# KiCad board lpddr5-testbed.kicad_pcb (continued)
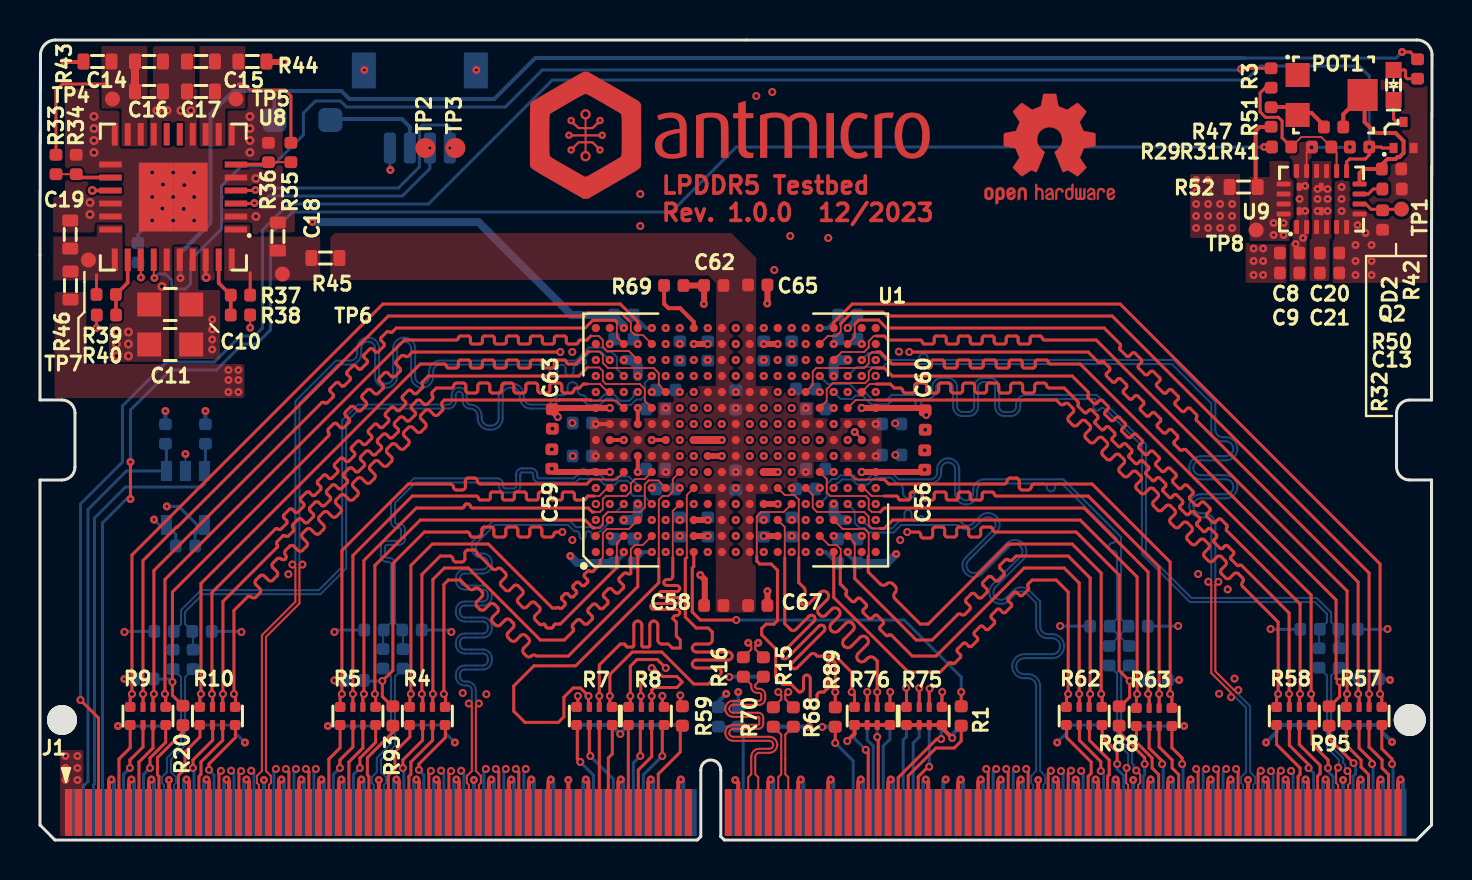
[diagram p0: board, top side]
## Routing (per net, layer and track width the routed paths; a pad name or vN(x,y) marks a point on that pad's centre or on a via; arc(x,y) is an arc through that point) (continued)
/LPDDR5/LPDDR5_B.DQ7: length 49.5
  Top w0.09: U1.T11 38.65,22.75 38.65,23.42 38.83,23.6 41.22,23.6 41.45,23.83 41.45,24.22 41.62,24.4 41.83,24.4
  Top w0.15: 41.83,24.4 42.03,24.4 42.62,23.8 43.83,23.8 arc(43.9,23.77) 43.93,23.7 arc(43.95,23.63) 44.03,23.6 44.47,23.6 arc(44.55,23.63) 44.58,23.7 44.58,23.9 arc(44.6,23.97) 44.68,24 45.12,24 arc(45.2,23.97) 45.22,23.9 45.22,23.7 arc(45.25,23.63) 45.33,23.6 45.78,23.6 arc(45.85,23.63) 45.88,23.7 45.88,23.9 arc(45.9,23.97) 45.97,24 46.43,24 arc(46.5,23.97) 46.53,23.9 46.53,23.7 arc(46.55,23.63) 46.62,23.6 47.08,23.6 arc(47.15,23.63) 47.18,23.7 47.18,23.9 arc(47.2,23.97) 47.28,24 47.72,24 arc(47.8,23.97) 47.83,23.9 47.83,23.7 arc(47.85,23.63) 47.93,23.6 48.38,23.6 arc(48.45,23.63) 48.47,23.7 48.47,23.9 arc(48.5,23.97) 48.58,24 49.03,24 arc(49.1,23.97) 49.12,23.9 49.12,23.7 arc(49.15,23.63) 49.22,23.6 49.68,23.6 arc(49.75,23.63) 49.78,23.7 49.78,23.9 arc(49.8,23.97) 49.88,24 50.33,24 arc(50.4,23.97) 50.43,23.9 arc(50.45,23.83) 50.53,23.8 52.03,23.8 63.58,12.25 v2(63.58,7.3) 63.62,7.25 R58.5
  In3.Cu w0.15: v2(59.33,3.55) 59.33,3.67 60.91,5.25 61.93,5.25 63.58,6.9 v2(63.58,7.3)
  Bottom w0.15: v2(59.33,3.55) 59.18,3.4 J1.226 ; v2(63.58,7.3) 63.62,7.25 R58.5
/LPDDR5/LPDDR5_B.DQ8: length 35.1
  Top w0.15: U1.V1 39.7,12.12 43.43,8.4 45.03,8.4 45.47,8.84 arc(45.54,8.87) 45.61,8.84 arc(45.68,8.81) 45.75,8.84 46.03,9.12 arc(46.06,9.19) 46.03,9.26 45.89,9.41 arc(45.86,9.48) 45.89,9.55 46.17,9.83 arc(46.24,9.86) 46.31,9.83 46.46,9.69 arc(46.53,9.66) 46.6,9.69 46.88,9.97 arc(46.91,10.04) 46.88,10.11 46.74,10.25 arc(46.71,10.33) 46.74,10.4 47.02,10.68 arc(47.09,10.71) 47.16,10.68 47.3,10.54 arc(47.37,10.51) 47.45,10.54 47.73,10.82 arc(47.76,10.89) 47.73,10.96 47.59,11.1 arc(47.56,11.17) 47.59,11.24 47.87,11.53 arc(47.94,11.56) 48.01,11.53 48.15,11.39 arc(48.22,11.36) 48.29,11.39 48.58,11.67 arc(48.61,11.74) 48.58,11.81 48.44,11.95 arc(48.41,12.02) 48.44,12.09 48.72,12.38 arc(48.79,12.41) 48.86,12.38 49,12.23 arc(49.07,12.21) 49.14,12.23 49.43,12.52 arc(49.45,12.59) 49.43,12.66 arc(49.4,12.73) 49.43,12.8 49.62,13 50.83,13 51.43,12.4 v2(51.43,7.3) 51.35,7.22 51.35,6.65 ; v2(47.33,3.55) 47.43,3.45 J1.179
  In3.Cu w0.15: v2(51.43,7.3) 51.43,7 50.72,6.3 49.78,6.3 47.33,3.85 v2(47.33,3.55)
  Bottom w0.15: R62.8 51.34,7.21 v2(51.43,7.3)
/LPDDR5/LPDDR5_B.DQ9: length 35.2
  Top w0.09: U1.W2 40.75,14.85 40.75,14.1
  Top w0.15: J1.183 48.43,3.45 v2(48.33,3.55) ; 40.75,14.1 40.75,13.08 43.83,10 44.62,10 45.9,11.28 arc(45.99,11.31) 46.08,11.28 arc(46.17,11.24) 46.26,11.28 46.5,11.53 arc(46.54,11.61) 46.5,11.7 46.33,11.88 arc(46.29,11.97) 46.33,12.06 46.57,12.3 arc(46.66,12.34) 46.75,12.3 46.93,12.13 arc(47.02,12.09) 47.1,12.13 47.35,12.37 arc(47.39,12.46) 47.35,12.55 47.18,12.73 arc(47.14,12.82) 47.18,12.9 47.42,13.15 arc(47.51,13.19) 47.6,13.15 47.78,12.97 arc(47.86,12.94) 47.95,12.97 48.2,13.22 arc(48.24,13.31) 48.2,13.4 48.02,13.58 arc(47.99,13.66) 48.02,13.75 48.27,14 arc(48.36,14.04) 48.45,14 arc(48.54,13.96) 48.62,14 48.83,14.2 51.43,14.2 52.53,13.1 v2(52.53,7.3) 52.49,7.26 52.49,6.65
  In3.Cu w0.15: v2(48.33,3.55) 48.33,3.75 50.18,5.6 51.18,5.6 52.53,6.95 v2(52.53,7.3)
  Bottom w0.15: R62.6 52.47,7.25 v2(52.53,7.3)
/LPDDR5/LPDDR5_B.DQ10: length 35.3
  Top w0.09: 40.03,14.2 40.05,14.22 40.05,14.54 39.84,14.75 39.45,14.75 U1.U2
  Top w0.15: 51.99,6.65 51.99,7.29 v2(51.97,7.3) 51.97,12.85 51.22,13.6 49.22,13.6 44.83,9.2 43.62,9.2 42.59,10.24 arc(42.52,10.27) 42.45,10.24 arc(42.38,10.21) 42.3,10.24 42.02,10.52 arc(41.99,10.59) 42.02,10.66 42.16,10.8 arc(42.19,10.87) 42.16,10.94 41.88,11.23 arc(41.81,11.26) 41.74,11.23 41.6,11.09 arc(41.53,11.06) 41.46,11.09 41.17,11.37 arc(41.14,11.44) 41.17,11.51 41.31,11.65 arc(41.34,11.72) 41.31,11.79 41.03,12.08 arc(40.96,12.11) 40.89,12.08 40.75,11.93 arc(40.68,11.91) 40.61,11.93 40.33,12.22 arc(40.3,12.29) 40.33,12.36 arc(40.35,12.43) 40.33,12.5 40.03,12.8 40.03,14.2
  In3.Cu w0.15: v2(51.97,7.3) 51.97,7 50.93,5.95 49.97,5.95 47.83,3.8 v2(47.83,3.55)
  Bottom w0.15: v2(47.83,3.55) 47.68,3.4 J1.180 ; R62.7 v2(51.97,7.3)
/LPDDR5/LPDDR5_B.DQ11: length 35.2
  Top w0.09: U1.V3 40.15,15.55 41.24,15.55 41.45,15.34 41.45,14.22 41.43,14.2
  Top w0.15: 53.12,6.65 53.12,7.25 v2(53.08,7.3) 53.08,13.35 51.62,14.8 48.43,14.8 44.43,10.8 44.03,10.8 42.77,12.06 arc(42.7,12.22) 42.77,12.38 arc(42.83,12.53) 42.77,12.69 42.66,12.8 arc(42.5,12.87) 42.34,12.8 arc(42.18,12.73) 42.03,12.8 41.43,13.4 41.43,14.2
  In3.Cu w0.15: v2(48.83,3.55) 48.83,3.67 50.41,5.25 51.43,5.25 53.08,6.9 v2(53.08,7.3)
  Bottom w0.15: v2(48.83,3.55) 48.68,3.4 J1.184 ; v2(53.08,7.3) 53.11,7.26 R62.5
/LPDDR5/LPDDR5_B.DQ12: length 35.1
  Top w0.09: U1.Y5 41.2,17.6 41.6,17.2 42.22,17.2
  Top w0.15: 55.97,6.65 v2(55.97,7.3) 55.97,13.65 52.43,17.2 47.83,17.2 arc(47.75,17.23) 47.72,17.3 arc(47.7,17.37) 47.62,17.4 47.22,17.4 arc(47.15,17.37) 47.12,17.3 47.12,17.1 arc(47.1,17.03) 47.03,17 46.62,17 arc(46.55,17.03) 46.53,17.1 46.53,17.3 arc(46.5,17.37) 46.43,17.4 46.03,17.4 arc(45.95,17.37) 45.93,17.3 45.93,17.1 arc(45.9,17.03) 45.83,17 45.43,17 arc(45.35,17.03) 45.33,17.1 45.33,17.3 arc(45.3,17.37) 45.22,17.4 44.83,17.4 arc(44.75,17.37) 44.72,17.3 44.72,17.1 arc(44.7,17.03) 44.62,17 44.22,17 arc(44.15,17.03) 44.12,17.1 44.12,17.3 arc(44.1,17.37) 44.03,17.4 43.62,17.4 arc(43.55,17.37) 43.53,17.3 43.53,17.1 arc(43.5,17.03) 43.43,17 43.03,17 arc(42.95,17.03) 42.93,17.1 arc(42.9,17.17) 42.83,17.2 42.22,17.2 ; J1.195 51.43,3.33 v2(51.57,3.47)
  In3.Cu w0.15: v2(51.57,3.47) 51.57,3.48 52.59,4.5 53.72,4.5 55.97,6.75 v2(55.97,7.3)
  Bottom w0.15: 55.97,6.65 v2(55.97,7.3)
/LPDDR5/LPDDR5_B.DQ13: length 35.3
  Top w0.09: U1.W6 40.78,18.03 42.03,18.03
  Top w0.15: 56.61,6.65 56.61,7.21 v2(56.53,7.3) 56.53,13.9 52.62,17.8 49.72,17.8 arc(49.62,17.76) 49.58,17.65 arc(49.53,17.54) 49.43,17.5 49.12,17.5 arc(49.02,17.54) 48.97,17.65 48.97,17.95 arc(48.93,18.06) 48.83,18.1 48.53,18.1 arc(48.42,18.06) 48.38,17.95 arc(48.33,17.84) 48.22,17.8 42.45,17.8 42.22,18.03 42.03,18.03
  In3.Cu w0.15: v2(56.53,7.3) 56.53,6.7 54.03,4.2 52.82,4.2 v2(52.08,3.45)
  Bottom w0.15: 56.61,6.65 56.61,7.21 v2(56.53,7.3) ; v2(52.08,3.45) 52.18,3.35 J1.198
/LPDDR5/LPDDR5_B.DQ14: length 35.2
  Top w0.09: 42.03,16.4 41.6,16.4 41.45,16.55 41.45,17.05 41.3,17.2 39.53,17.2 39.35,17.38 39.35,18.05 U1.U6
  Top w0.15: 55.47,6.65 55.47,7.25 v2(55.43,7.3) 55.43,13.4 52.22,16.6 42.22,16.6 42.03,16.4
  In3.Cu w0.15: v2(55.43,7.3) 55.43,6.8 53.43,4.8 52.33,4.8 51.07,3.54 v2(51.07,3.45)
  Bottom w0.15: J1.194 51.18,3.34 v2(51.07,3.45) ; 55.47,6.65 55.47,7.25 v2(55.43,7.3)
/LPDDR5/LPDDR5_B.DQ15: length 35
  Top w0.09: 42.03,15.58 41.62,15.58 41.45,15.75 41.45,16.17 41.22,16.4 38.87,16.4 38.65,16.62 38.65,17.25 U1.T5
  Top w0.15: v2(50.56,3.46) 50.43,3.33 J1.191 ; 42.03,15.58 42.22,15.58 42.65,16 52.03,16 54.88,13.15 v2(54.88,7.3) 54.84,7.26 54.84,6.65
  In3.Cu w0.15: v2(50.56,3.46) 50.56,3.63 52.03,5.1 53.12,5.1 54.88,6.85 v2(54.88,7.3)
  Bottom w0.15: v2(54.88,7.3) 54.84,7.26 54.84,6.65
/LPDDR5/LPDDR5_B.RDQS0_N: length 47.6
  Top w0.102: v2(58.43,12.91) 58.58,12.76 58.58,8.35 59.58,7.35 v2(59.58,7.14)
  Bottom w0.102: v2(59.58,7.14) 59.79,7.14 60.32,6.61 60.32,3.39 60.07,3.15 60.07,2.85 60.18,2.75 J1.230 ; v2(58.43,12.91) 58.58,13.06 58.58,15.76 arc(58.47,16.03) 58.21,16.14 58.06,16.14 arc(57.65,16.3) 57.48,16.71 arc(57.65,17.12) 58.06,17.29 59.31,17.29 arc(59.58,17.4) 59.69,17.66 arc(59.58,17.93) 59.31,18.03 58.06,18.03 arc(57.65,18.2) 57.48,18.61 arc(57.65,19.02) 58.06,19.19 59.31,19.19 arc(59.58,19.3) 59.69,19.56 arc(59.58,19.83) 59.31,19.94 59.16,19.94 arc(58.75,20.1) 58.58,20.51 58.58,21.83 56.61,23.8 42.31,23.8 42.16,23.65 40.9,23.65 40.85,23.65 v1(40.4,23.2)
/LPDDR5/LPDDR5_B.RDQS0_P: length 47.6
  Top w0.102: v2(59.93,7.5) 59.72,7.5 58.79,8.43 58.79,12.76 v2(58.94,12.91)
  Bottom w0.102: v2(59.93,7.5) 59.93,7.29 60.53,6.69 60.53,3.39 60.78,3.15 60.78,2.85 60.68,2.75 J1.232 ; v1(41.1,24) 41.45,24.35 41.95,24.35 42.3,24 43.83,24 arc(43.94,24.05) 43.98,24.15 arc(44.03,24.26) 44.13,24.3 44.23,24.3 arc(44.34,24.26) 44.38,24.15 arc(44.43,24.05) 44.53,24 56.7,24 58.79,21.91 58.79,20.51 arc(58.9,20.25) 59.16,20.14 59.31,20.14 arc(59.72,19.97) 59.89,19.56 arc(59.72,19.15) 59.31,18.98 58.06,18.98 arc(57.79,18.88) 57.69,18.61 arc(57.79,18.35) 58.06,18.24 59.31,18.24 arc(59.72,18.07) 59.89,17.66 arc(59.72,17.25) 59.31,17.08 58.06,17.08 arc(57.79,16.98) 57.69,16.71 arc(57.79,16.45) 58.06,16.34 58.21,16.34 arc(58.62,16.17) 58.79,15.76 58.79,13.06 v2(58.94,12.91)
/LPDDR5/LPDDR5_B.RDQS1_N: length 35.8
  Bottom w0.1: 41.73,15.37 41.46,15.37 41.23,15.6 41,15.6 40.75,15.85 40.75,16.45 v1(40.4,16.8) ; J1.188 49.68,2.76 49.58,2.86 49.58,3.2 49.82,3.45 49.82,7.69 arc(49.71,7.97) 49.43,8.09 49.22,8.09 arc(48.8,8.26) 48.62,8.69 arc(48.8,9.11) 49.22,9.29 50.63,9.29 arc(50.91,9.41) 51.03,9.69 arc(50.91,9.97) 50.63,10.09 50.43,10.09 arc(50,10.26) 49.82,10.69 49.82,11.85 49.35,12.32 arc(49.08,12.43) 48.82,12.32 48.46,11.97 arc(48.06,11.8) 47.65,11.97 arc(47.48,12.38) 47.65,12.79 49.03,14.17 arc(49.14,14.43) 49.03,14.69 arc(48.77,14.8) 48.5,14.69 47.12,13.31 arc(46.71,13.15) 46.31,13.31 arc(46.14,13.72) 46.31,14.13 47.69,15.51 arc(47.8,15.77) 47.69,16.04 arc(47.42,16.15) 47.16,16.04 46.8,15.68 arc(46.4,15.52) 45.99,15.68 45.92,15.75 43.07,15.75
  Bottom w0.102: 41.73,15.37 42.69,15.37 43.07,15.75
/LPDDR5/LPDDR5_B.RDQS1_P: length 35.8
  Bottom w0.1: 42.98,15.95 43.07,15.95 arc(43.19,16) 43.24,16.13 43.24,16.33 arc(43.29,16.45) 43.42,16.5 arc(43.54,16.45) 43.59,16.33 43.59,16.13 arc(43.64,16) 43.77,15.95 43.82,15.95 arc(43.9,15.99) 43.94,16.08 arc(43.98,16.16) 44.07,16.2 arc(44.15,16.16) 44.19,16.08 arc(44.23,15.99) 44.32,15.95 46.01,15.95 46.13,15.83 arc(46.4,15.72) 46.66,15.83 47.01,16.18 arc(47.42,16.35) 47.83,16.18 arc(48,15.77) 47.83,15.37 46.45,13.99 arc(46.34,13.72) 46.45,13.46 arc(46.71,13.35) 46.98,13.46 48.36,14.84 arc(48.77,15.01) 49.17,14.84 arc(49.34,14.43) 49.17,14.02 47.79,12.64 arc(47.68,12.38) 47.79,12.11 arc(48.06,12) 48.32,12.11 48.68,12.47 arc(49.08,12.64) 49.49,12.47 50.03,11.93 50.03,10.69 arc(50.14,10.41) 50.43,10.29 50.63,10.29 arc(51.05,10.11) 51.23,9.69 arc(51.05,9.26) 50.63,9.09 49.22,9.09 arc(48.94,8.97) 48.83,8.69 arc(48.94,8.41) 49.22,8.29 49.43,8.29 arc(49.85,8.11) 50.03,7.69 50.03,3.45 50.28,3.2 50.28,2.86 50.18,2.76 J1.190 ; 41.73,15.58 41.54,15.58 41.12,16 v1(41.1,16)
  Bottom w0.102: 41.73,15.58 42.61,15.58 42.98,15.95
/LPDDR5/LPDDR5_B.WCK0_N: length 40.9
  Bottom w0.1: R64.2 63.97,10.5 R79.1
  Bottom w0.102: v1(39.7,22.4) 40.05,22.05 40.61,22.05 40.78,22.22 41.14,22.22 41.58,21.78 42.41,21.78 42.68,22.05 43.64,22.05 arc(43.75,22.01) 43.79,21.9 43.79,21.79 arc(43.83,21.69) 43.94,21.65 arc(44.04,21.69) 44.08,21.79 44.08,21.9 arc(44.12,22.01) 44.23,22.05 44.35,22.05 arc(44.68,22.19) 44.82,22.53 44.82,22.63 arc(44.9,22.82) 45.1,22.9 45.4,22.9 arc(45.59,22.82) 45.67,22.63 45.67,21.67 arc(45.81,21.34) 46.15,21.2 46.45,21.2 arc(46.78,21.34) 46.92,21.67 46.92,22.63 arc(47,22.82) 47.2,22.9 47.5,22.9 arc(47.69,22.82) 47.77,22.63 47.77,21.67 arc(47.91,21.34) 48.25,21.2 48.55,21.2 arc(48.88,21.34) 49.02,21.67 49.02,21.78 arc(49.1,21.97) 49.3,22.05 52.77,22.05 arc(52.83,21.92) 52.77,21.8 52.74,21.77 arc(52.69,21.64) 52.74,21.52 arc(52.86,21.47) 52.99,21.52 53.02,21.55 arc(53.15,21.6) 53.27,21.55 55.11,19.71 55.11,14.3 57.51,11.9 63.77,11.9 64.37,11.3 64.37,10.9 R79.1
/LPDDR5/LPDDR5_B.WCK0_P: length 41
  Bottom w0.1: R80.1 64.97,10.5 R65.2 ; 39.93,22.8 39.4,22.8 v1(39,23.2)
  Bottom w0.102: R80.1 64.58,10.9 64.58,11.38 63.86,12.1 57.6,12.1 55.32,14.38 55.32,19.79 52.86,22.25 49.3,22.25 arc(48.96,22.11) 48.82,21.78 48.82,21.67 arc(48.74,21.48) 48.55,21.4 48.25,21.4 arc(48.05,21.48) 47.97,21.67 47.97,22.63 arc(47.83,22.96) 47.5,23.1 47.2,23.1 arc(46.86,22.96) 46.72,22.63 46.72,21.67 arc(46.64,21.48) 46.45,21.4 46.15,21.4 arc(45.95,21.48) 45.87,21.67 45.87,22.63 arc(45.73,22.96) 45.4,23.1 45.1,23.1 arc(44.76,22.96) 44.62,22.63 44.62,22.53 arc(44.54,22.33) 44.35,22.25 42.59,22.25 42.32,21.98 41.67,21.98 41.23,22.42 40.87,22.42 40.5,22.8 39.93,22.8
/LPDDR5/LPDDR5_B.WCK1_N: length 26.7
  Bottom w0.1: R66.2 53.49,9.7 53.88,10.09 53.88,10.31 R81.1
  Bottom w0.102: v1(39.7,17.6) 39.7,17.67 39.87,17.85 39.93,17.85 40.11,18.03 40.61,18.03 40.86,17.78 41.41,17.78 41.75,18.12 42.57,18.12 42.86,17.83 arc(43.08,17.74) 43.16,17.53 43.16,17.38 arc(43.25,17.17) 43.46,17.08 arc(43.68,17.17) 43.76,17.38 43.76,17.53 arc(43.85,17.74) 44.06,17.83 44.52,17.83 arc(44.91,17.99) 45.08,18.38 45.08,18.53 arc(45.18,18.78) 45.42,18.88 arc(45.67,18.78) 45.77,18.53 45.77,17.33 arc(45.93,16.94) 46.32,16.78 arc(46.71,16.94) 46.88,17.33 46.88,17.48 arc(46.98,17.73) 47.22,17.83 50.17,17.83 arc(50.31,17.77) 50.37,17.63 arc(50.43,17.49) 50.57,17.43 arc(50.71,17.49) 50.77,17.63 arc(50.83,17.77) 50.97,17.83 51.1,17.83 53.87,15.07 arc(53.81,14.92) 53.67,14.87 arc(53.52,14.81) 53.47,14.67 arc(53.52,14.52) 53.67,14.47 arc(53.81,14.41) 53.87,14.27 53.87,11.06 R81.1
/LPDDR5/LPDDR5_B.WCK1_P: length 26.6
  Bottom w0.1: 39.54,17.98 39.35,17.79 39.35,17.15 v1(39,16.8) ; R67.2 54.08,10.1 54.08,10.33 R82.1
  Bottom w0.102: R82.1 54.07,11.06 54.07,15.15 51.19,18.03 47.22,18.03 arc(46.83,17.87) 46.67,17.48 46.67,17.33 arc(46.57,17.08) 46.32,16.98 arc(46.08,17.08) 45.97,17.33 45.97,18.53 arc(45.81,18.92) 45.42,19.08 arc(45.03,18.92) 44.87,18.53 44.87,18.38 arc(44.77,18.13) 44.52,18.03 42.95,18.03 42.66,18.32 41.66,18.32 41.32,17.98 40.95,17.98 40.7,18.23 40.03,18.23 39.85,18.05 39.61,18.05 39.54,17.98
/LPDDR5/~{RESET}: length 20
  Top w0.15: v2(34.83,11) 33.03,11 32.62,11.4 32.62,13.6 32.7,13.67 U1.H1 ; v2(46.08,7.4) R1.2
  Bottom w0.15: R1.2 v2(46.08,7.4) 46.08,8.15 43.22,11 v2(34.83,11)
/Power supply/DCDC_PWRGD: length 64.7
  Top w0.09: U8.26 5.69,28.13 v1(5.73,28.1)
  Top w0.15: v2(60.08,38.55) 60.11,38.59 R3.2
  Bottom w0.15: v2(60.08,38.55) 60.03,38.5 25.12,38.5 23.28,36.65 15.33,36.65 15.03,36.95 13.78,36.95 13.18,36.35 13.18,35.25 11.62,33.7 10.08,33.7 9.08,32.7 9.08,30.55 7.53,29 7.53,27.8 7.28,27.55 6.78,27.55 6.58,27.75 6.58,28 6.28,28.3 5.93,28.3 v1(5.73,28.1)
/Power supply/FB1: length 2.9
  Top w0.1: 0.71,33.29 R34.1
  Top w0.182: R34.1 1.98,33.12 3.53,33.12
/Power supply/FB2: length 2.8
  Top w0.1: R35.1 11.56,33.89
  Top w0.182: 9.8,33.78 11.45,33.78 11.56,33.89
/Power supply/FB3: length 3
  Top w0.182: 9.54,26.25 R37.1 8.94,27.85 U8.31
/Power supply/FB4: length 3
  Top w0.182: 3.8,26.28 R39.1 4.39,27.86 4.39,29.01
/Power supply/I2C.SCL: length 28.4
  Top w0.15: U8.4 10.75,32.47 v1(10.78,32.5) ; 20.5,34.6 v1(20.5,34.6)
  In2.Cu w0.15: v1(6.28,21.45) 6.28,25 7.48,26.2 7.48,28.85 9.58,30.95 9.58,32.2 9.88,32.5 v1(10.78,32.5)
  Bottom w0.15: v1(20.5,34.6) 20.5,35.63 20.38,35.75 19.12,35.75 18.98,35.6 18.98,33.65 17.93,32.6 11.23,32.6 11.12,32.5 v1(10.78,32.5)
  Bottom w0.2: R26.2 v1(6.28,21.45)
/Power supply/I2C.SDA: length 24.2
  Top w0.15: v1(10.73,31.85) 10.7,31.82 U8.3 ; 19.45,34.55 v1(19.5,34.6)
  In2.Cu w0.15: v1(10.73,31.85) 10.33,31.85 10.03,31.55 10.03,30.85 7.83,28.65 7.83,22.35 8.28,21.9 v1(8.28,21.45)
  Bottom w0.15: v1(19.5,34.6) 19.5,33.57 18.12,32.2 11.43,32.2 11.08,31.85 v1(10.73,31.85)
  Bottom w0.2: R27.2 v1(8.28,21.45)
/Power supply/PWR_EN: length 102.4
  Top w0.15: R29.1 v1(61.22,34.65) ; v1(4.53,17.05) v1(4.53,18.9)
  Top w0.182: 3.53,32.47 v3(2.61,32.47)
  In2.Cu w0.15: v1(4.53,18.9) 5.28,19.65 5.28,25.9 3.48,27.7 3.48,32.3 3.3,32.47 v3(2.61,32.47)
  Bottom w0.15: v1(4.53,18.9) 4.53,21.5 6.53,23.5 8.83,23.5 10.12,24.8 10.83,24.8 11.53,25.5 11.53,30.3 12.62,31.4 31.58,31.4 34.83,34.65 v1(61.22,34.65) ; 3.12,1.42 3.12,15.85 4.33,17.05 v1(4.53,17.05)
/Power supply/PWRGD: length 101
  Top w0.15: J1.7 2.93,6.1 v2(2.03,7)
  Top w0.152: U9.11 65.35,33.9 65.5,34.05 66.28,34.05 66.49,34.25 v2(66.49,34.65) 67.08,34.65 67.12,34.6 Q2.1
  Bottom w0.15: v2(66.49,34.65) 66.49,38.2 65.99,38.7 61.03,38.7 60.33,38 25.62,38 19.43,31.8 12.43,31.8 11.12,30.5 11.12,25.6 10.73,25.2 10.03,25.2 8.73,23.9 6.33,23.9 4.12,21.7 4.12,18.9 2.03,16.8 v2(2.03,7)
/Power supply/VOUT: length 3.7
  Top w0.2: 60.89,32.64 60.8,32.72 60.8,35.44 61.02,35.65 61.6,35.65
  vias: v1(61.7,30.85) v1(61.7,30.25) v1(62.2,30.85) v1(62.2,30.25) v1(63.9,32.55) v1(63.9,32.05) v1(63.9,31.45) v1(64.4,32.55) v1(64.4,32.05) v1(64.4,31.45)
/Power supply/VOUT1: length 7.3
  Top w0.15: 3.23,37.8 1.12,37.8 0.8,37.48 R33.2
  Top w0.4: C14.2 C16.2
/Power supply/VOUT2: length 5.2
  Top w0.15: 9.93,37.8 10.23,37.8 10.53,37.5 12.25,37.5 12.55,37.2 R35.2
/Power supply/VOUT3: length 1.1
  Top w0.15: R37.2 10.51,28.36
/Power supply/VOUT4: length 1
  Top w0.15: R39.2 2.83,28.25 2.83,28.25
/SODIMM/HSCL: length 21.3
  Bottom w0.15: J1.4 2.18,2.7 2.4,2.92 2.4,16.53 4.33,18.45 U7.1 6.32,19.77 R26.1
/SODIMM/HSDA: length 23
  Bottom w0.15: R27.1 8.28,18.5 U7.3 8.22,17.8 8.08,17.65 4.28,17.65 2.73,16.1 2.73,2.8 2.68,2.75 J1.6
/SODIMM/LPDDR5_IN_A.CA0: length 4.4
  Top w0.15: J1.107 27.98,1.42 R7.3
/SODIMM/LPDDR5_IN_A.CA1: length 4.5
  Top w0.15: R7.4 28.62,5.74 28.62,4.3 28.43,4.1 J1.109
/SODIMM/LPDDR5_IN_A.CA2: length 4.4
  Top w0.15: J1.113 29.43,5.65 29.52,5.75
/SODIMM/LPDDR5_IN_A.CA3: length 4.5
  Top w0.15: v2(30.03,4.2) 30.03,5.72 30.05,5.75
  Bottom w0.15: v2(30.03,4.2) 29.68,3.85 J1.114
/SODIMM/LPDDR5_IN_A.CA4: length 4.7
  Top w0.15: 30.59,5.75 30.59,4.17 29.93,3.5 J1.115
/SODIMM/LPDDR5_IN_A.CA5: length 4.8
  Top w0.15: v2(31.12,4.2) 31.12,5.75
  Bottom w0.15: v2(31.12,4.2) 30.18,3.25 J1.116
/SODIMM/LPDDR5_IN_A.CA6: length 4.8
  Top w0.15: J1.119 30.93,3.3 32.03,4.4 32.03,5.72
/SODIMM/LPDDR5_IN_A.CK_N: length 14.9
  Top w0.1: J1.133 35.93,3.14 35.78,3.29 35.78,4.16 arc(35.83,4.3) 35.97,4.36 36.47,4.36 arc(36.76,4.48) 36.88,4.76 arc(36.76,5.04) 36.47,5.16 34.68,5.16 arc(34.53,5.22) 34.47,5.36 arc(34.53,5.5) 34.68,5.56 35.93,5.56 arc(36.1,5.63) 36.18,5.81 36.18,6.11 arc(36.1,6.29) 35.93,6.36 34.68,6.36 arc(34.53,6.42) 34.47,6.56 arc(34.53,6.7) 34.68,6.76 35.97,6.76 arc(36.19,6.85) 36.28,7.06 36.28,7.26 arc(36.19,7.47) 35.97,7.56 35.88,7.56 arc(35.8,7.59) 35.78,7.66 35.78,7.77 R15.1
/SODIMM/LPDDR5_IN_A.CK_P: length 14.9
  Top w0.1: R16.1 35.58,7.77 35.58,7.66 arc(35.66,7.45) 35.88,7.36 35.97,7.36 arc(36.05,7.33) 36.08,7.26 36.08,7.06 arc(36.05,6.99) 35.97,6.96 34.68,6.96 arc(34.39,6.84) 34.28,6.56 arc(34.39,6.28) 34.68,6.16 35.93,6.16 arc(35.96,6.15) 35.97,6.11 35.97,5.81 arc(35.96,5.77) 35.93,5.76 34.68,5.76 arc(34.39,5.64) 34.28,5.36 arc(34.39,5.08) 34.68,4.96 36.47,4.96 arc(36.62,4.9) 36.68,4.76 arc(36.62,4.62) 36.47,4.56 35.97,4.56 arc(35.69,4.44) 35.58,4.16 35.58,3.29 35.43,3.14 J1.131
/SODIMM/LPDDR5_IN_A.CS0: length 4.7
  Top w0.15: v2(27.03,3.9) 26.88,4.05 26.88,5.71 R7.1
  Bottom w0.15: v2(27.03,3.9) 27.68,3.25 J1.106
/SODIMM/LPDDR5_IN_A.CS1: length 4.9
  Top w0.15: R7.2 27.48,4.25 v2(27.53,4.2)
  Bottom w0.15: v2(27.53,4.2) 27.53,4.19 28.68,3.04 J1.110
/SODIMM/LPDDR5_IN_A.DMI0: length 4.9
  Top w0.15: R93.1 17.65,5.39 16.37,4.12 16.37,3.26 16.45,3.18 16.45,1.38
/SODIMM/LPDDR5_IN_A.DMI1: length 4.9
  Top w0.15: 5.95,1.38 5.95,3.18 5.87,3.26 5.87,4.12 7.15,5.39 7.15,5.72
/SODIMM/LPDDR5_IN_A.DQ0: length 5
  Top w0.15: 20.28,5.75 20.28,5.12 18.95,3.8 18.95,3.5
  Bottom w0.15: 19.2,1.38 19.2,3.25 18.95,3.5 v2(18.95,3.51)
/SODIMM/LPDDR5_IN_A.DQ1: length 4.9
  Top w0.15: 19.14,5.75 19.14,4.99 18.15,4 v2(18.15,3.6)
  Bottom w0.15: J1.68 18.2,1.4 18.2,3.55 v2(18.15,3.6) ; 18.2,1.38 18.23,1.4
/SODIMM/LPDDR5_IN_A.DQ2: length 4.9
  Top w0.15: 18.45,1.38 18.45,3.18 18.55,3.28 18.55,3.9 19.64,4.99 19.64,5.75
/SODIMM/LPDDR5_IN_A.DQ3: length 4.8
  Top w0.15: 18.5,5.75 18.5,5.15 17.75,4.4 17.75,3.55 17.43,3.22 17.43,1.4 17.45,1.38
/SODIMM/LPDDR5_IN_A.DQ4: length 4.8
  Top w0.15: R5.2 15.65,4.65 15,4 v2(15,3.6)
  Bottom w0.15: 14.68,1.4 14.68,3.28 v2(15,3.6)
/SODIMM/LPDDR5_IN_A.DQ5: length 4.6
  Top w0.15: 14.45,1.38 14.45,4.05 15.01,4.61 R5.1
/SODIMM/LPDDR5_IN_A.DQ6: length 4.7
  Top w0.15: 15.45,1.35 15.45,3.9 16.15,4.6 R5.3
/SODIMM/LPDDR5_IN_A.DQ7: length 4.8
  Top w0.15: v2(16,3.6) 16,4.1 16.79,4.88 R5.4
  Bottom w0.15: 15.68,1.4 15.68,3.28 v2(16,3.6)
/SODIMM/LPDDR5_IN_A.DQ8: length 4.6
  Top w0.15: R9.1 4.51,4.61 3.95,4.05 3.95,1.38
/SODIMM/LPDDR5_IN_A.DQ9: length 4.7
  Top w0.15: 4.95,1.35 4.95,3.9 5.65,4.6 R9.3
/SODIMM/LPDDR5_IN_A.DQ10: length 4.8
  Top w0.15: v2(4.5,3.6) 4.5,4 5.15,4.65 R9.2
  Bottom w0.15: v2(4.5,3.6) 4.18,3.28 4.18,1.4
/SODIMM/LPDDR5_IN_A.DQ11: length 4.8
  Top w0.15: v2(5.5,3.6) 5.5,4.1 6.29,4.88 R9.4
  Bottom w0.15: 5.18,1.4 5.18,3.28 v2(5.5,3.6)
/SODIMM/LPDDR5_IN_A.DQ12: length 4.9
  Top w0.15: 9.14,5.75 9.14,4.99 8.05,3.9 8.05,3.28 7.95,3.18 7.95,1.38
/SODIMM/LPDDR5_IN_A.DQ13: length 5
  Top w0.15: 8.45,3.5 8.45,3.8 9.78,5.12 9.78,5.75
  Bottom w0.15: 8.7,1.38 8.7,3.25 8.45,3.5 v2(8.45,3.51)
/SODIMM/LPDDR5_IN_A.DQ14: length 4.9
  Top w0.15: v2(7.65,3.6) 7.65,4 8.64,4.99 8.64,5.75
  Bottom w0.15: J1.26 7.7,1.4 7.7,3.55 v2(7.65,3.6) ; 7.7,1.38 7.73,1.4
/SODIMM/LPDDR5_IN_A.DQ15: length 4.8
  Top w0.15: 6.95,1.38 6.93,1.4 6.93,3.22 7.25,3.55 7.25,4.4 8,5.15 8,5.75
/SODIMM/LPDDR5_IN_A.WCK0_N: length 9.2
  Bottom w0.1: 16.7,1.38 16.7,2.76
  Bottom w0.102: R11.1 17.55,8.18 17.55,4.81 16.85,4.11 16.85,3.39 16.6,3.15 16.6,2.85 16.7,2.75 16.7,1.38
/SODIMM/LPDDR5_IN_A.WCK0_P: length 9.2
  Bottom w0.1: 17.2,1.38 17.2,2.76
  Bottom w0.102: 17.2,1.38 17.2,2.75 17.3,2.85 17.3,3.15 17.05,3.39 17.05,4.02 17.76,4.73 17.76,8.18 R12.1
/SODIMM/LPDDR5_IN_A.WCK1_N: length 9.2
  Bottom w0.1: 6.2,1.38 6.2,2.76
  Bottom w0.102: R13.1 7.05,8.15 7.05,4.81 6.35,4.11 6.35,3.39 6.1,3.15 6.1,2.85 6.2,2.75 6.2,1.38
/SODIMM/LPDDR5_IN_A.WCK1_P: length 9.2
  Bottom w0.1: 6.7,1.38 6.7,2.76
  Bottom w0.102: 6.7,1.38 6.7,2.75 6.8,2.85 6.8,3.15 6.55,3.39 6.55,4.02 7.26,4.73 7.26,8.15 R14.1
/SODIMM/LPDDR5_IN_B.CA0: length 4.5
  Bottom w0.15: R60.3 43.97,5.15 43.68,4.85 J1.164
/SODIMM/LPDDR5_IN_B.CA1: length 4.4
  Bottom w0.15: R60.4 43.34,5.16 43.18,5 J1.162
/SODIMM/LPDDR5_IN_B.CA2: length 4.5
  Bottom w0.15: R61.1 42.51,5.04 42.18,4.7 J1.158
/SODIMM/LPDDR5_IN_B.CA3: length 4.4
  Top w0.15: J1.157 41.93,5.1 v2(41.88,5.15)
  Bottom w0.15: R61.2 v2(41.88,5.15)
/SODIMM/LPDDR5_IN_B.CA4: length 4.5
  Bottom w0.15: J1.156 41.68,4.7 41.38,5 R61.3
/SODIMM/LPDDR5_IN_B.CA5: length 4.7
  Top w0.15: v2(41.3,4.51) 41.43,4.39 J1.155
  Bottom w0.15: v2(41.3,4.51) 40.74,5.07 R61.4
/SODIMM/LPDDR5_IN_B.CA6: length 4.7
  Top w0.15: v2(39.78,4.85) R89.1
  Bottom w0.15: J1.152 40.68,3.95 v2(39.78,4.85)
/SODIMM/LPDDR5_IN_B.CK_N: length 4.5
  Top w0.102: R68.1 37.28,5.27 37.28,4.01 37.28,4.01 37.28,3.29 37.43,3.14 J1.139
/SODIMM/LPDDR5_IN_B.CK_P: length 4.5
  Top w0.102: J1.137 36.93,3.14 37.07,3.29 37.07,4.09 37.07,4.09 37.07,5.27 R70.1
/SODIMM/LPDDR5_IN_B.CS0: length 5.4
  Top w0.15: v2(45.08,5.05) 44.86,5.05 42.93,3.12 J1.161
  Bottom w0.15: R60.1 45.08,5.71 v2(45.08,5.05)
/SODIMM/LPDDR5_IN_B.CS1: length 4.6
  Top w0.15: J1.165 43.93,3.17 44.42,3.66 v2(44.47,3.66)
  Bottom w0.15: v2(44.47,3.66) R60.2
/SODIMM/LPDDR5_IN_B.DMI0: length 4.9
  Top w0.15: R95.1 64.47,5.07 v2(65.7,3.84)
  Bottom w0.15: v2(65.7,3.84) 65.8,3.74 65.8,3.31 65.68,3.18 J1.252
/SODIMM/LPDDR5_IN_B.DMI1: length 4.9
  Top w0.15: v2(55.25,3.8) 55.25,4.12 53.97,5.39 R88.1
  Bottom w0.15: J1.210 55.18,3.18 55.25,3.26 v2(55.25,3.8)
/SODIMM/LPDDR5_IN_B.DQ0: length 4.6
  Top w0.15: v2(67.62,3.8) 67.62,4.05 67.11,4.56 R57.4
  Bottom w0.15: v2(67.62,3.8) 67.68,3.75 J1.260
/SODIMM/LPDDR5_IN_B.DQ1: length 4.7
  Top w0.15: R57.2 65.97,4.6 66.62,3.95 v2(66.62,3.8)
  Bottom w0.15: 66.68,1.35 66.68,3.75 v2(66.62,3.8)
/SODIMM/LPDDR5_IN_B.DQ2: length 4.8
  Top w0.15: J1.259 67.45,1.4 67.45,3.28 67.12,3.6 67.12,4 66.47,4.65 R57.3
/SODIMM/LPDDR5_IN_B.DQ3: length 4.8
  Top w0.15: J1.255 66.45,1.4 66.45,3.28 66.08,3.65 66.08,4 65.34,4.74 R57.1
/SODIMM/LPDDR5_IN_B.DQ4: length 4.9
  Top w0.15: R58.2 62.49,4.74 63.45,3.78 v2(63.45,3.6)
  Bottom w0.15: J1.244 63.7,1.4 63.7,3.35 v2(63.45,3.6)
/SODIMM/LPDDR5_IN_B.DQ5: length 4.9
  Top w0.15: 61.85,5.75 61.85,4.78 63.03,3.6 63.03,3.28 62.93,3.18 J1.241
/SODIMM/LPDDR5_IN_B.DQ6: length 4.9
  Top w0.15: J1.245 63.9,1.4 63.9,3.19 64.03,3.32 64.03,3.74 62.99,4.78 R58.3
/SODIMM/LPDDR5_IN_B.DQ7: length 4.8
  Top w0.15: R58.4 63.62,4.8 64.43,4 v2(64.43,3.6)
  Bottom w0.15: J1.248 64.68,3.18 64.43,3.43 v2(64.43,3.6)
/SODIMM/LPDDR5_IN_B.DQ8: length 4.9
  Top w0.15: 51.35,5.75 51.35,5.12 52.58,3.9 52.58,3.33 52.43,3.18 J1.199
/SODIMM/LPDDR5_IN_B.DQ9: length 4.8
  Top w0.15: 52.49,5.75 52.49,4.99 53.47,4 53.47,3.27 53.4,3.19 53.4,1.4 J1.203
/SODIMM/LPDDR5_IN_B.DQ10: length 4.9
  Top w0.15: v2(53.06,3.45) 53.06,3.92 51.99,4.99 51.99,5.75
  Bottom w0.15: v2(53.06,3.45) 53.2,3.31 53.2,1.4 J1.202
/SODIMM/LPDDR5_IN_B.DQ11: length 4.8
  Top w0.15: 53.12,5.75 53.12,5.15 53.88,4.4 v2(53.88,3.8)
  Bottom w0.15: v2(53.88,3.8) 53.88,3.55 54.2,3.22 54.2,1.4 J1.206
/SODIMM/LPDDR5_IN_B.DQ12: length 4.8
  Top w0.15: J1.217 56.95,1.4 56.95,3.28 56.62,3.6 56.62,4 55.97,4.65 55.97,5.75
/SODIMM/LPDDR5_IN_B.DQ13: length 4.6
  Top w0.15: v2(57.12,3.8) 57.12,4.1 56.61,4.61 56.61,5.75
  Bottom w0.15: J1.218 57.18,3.75 v2(57.12,3.8)
/SODIMM/LPDDR5_IN_B.DQ14: length 4.7
  Top w0.15: v2(56.12,3.8) 56.12,3.95 55.47,4.6 55.47,5.75
  Bottom w0.15: 56.18,1.35 56.18,3.75 v2(56.12,3.8)
/SODIMM/LPDDR5_IN_B.DQ15: length 4.8
  Top w0.15: J1.213 55.95,1.4 55.95,3.28 55.62,3.6 55.62,4.1 54.84,4.88 54.84,5.75
/SODIMM/LPDDR5_IN_B.WCK0_N: length 7.8
  Top w0.1: J1.249 64.93,2.76 64.83,2.86 64.83,3.14
  Top w0.102: v2(64.92,3.62) 64.83,3.52 64.83,3.14
  Bottom w0.102: R64.1 64.37,8.22 64.37,4.61 64.97,4.01 64.97,3.67 v2(64.92,3.62)
/SODIMM/LPDDR5_IN_B.WCK0_P: length 7.8
  Top w0.1: 65.53,3.14 65.53,2.86 65.43,2.76 J1.251
  Top w0.102: v2(65.39,3.45) 65.53,3.32 65.53,3.14
  Bottom w0.102: R65.1 64.58,8.22 64.58,4.69 65.18,4.09 65.18,3.86 65.28,3.77 65.28,3.57 v2(65.39,3.45)
/SODIMM/LPDDR5_IN_B.WCK1_N: length 7.8
  Top w0.1: 54.33,3.14 54.33,2.86 54.43,2.76 J1.207
  Top w0.102: 54.33,3.14 54.33,3.58 v2(54.35,3.61)
  Bottom w0.102: R66.1 53.87,8.33 53.87,4.86 54.42,4.31 54.42,3.68 v2(54.35,3.61)
/SODIMM/LPDDR5_IN_B.WCK1_P: length 8
  Top w0.1: J1.209 54.93,2.76 55.03,2.86 55.03,3.14
  Top w0.102: 55.03,3.14 55.03,3.28 v2(54.83,3.47)
  Bottom w0.102: R67.1 54.08,8.33 54.08,4.94 54.63,4.39 54.63,3.82 54.7,3.75 54.7,3.61 v2(54.83,3.47)
/SODIMM/~{RESET}: length 6
  Top w0.15: R1.1 46.08,4.95 45.72,4.6 44.81,4.6 43.43,3.21 J1.163
Net-(C12-Pad2): length 1.7
  Top w0.09: v1(5.05,28.12) 5.04,28.14 U8.25
  Bottom w0.09: v1(5.05,28.12) 5.05,28.72 C12.2
Net-(C13-Pad2): length 1.2
  Top w0.152: U9.9 66.44,32.3 66.69,32.55 67.12,32.55
Net-(D2-Pad1): length 1.6
  Top w0.152: R42.2 68.39,38.06 68.3,38.15 68.3,38.45 68.25,38.5 D2.1
Net-(D2-Pad2): length 1.5
  Top w0.152: Q2.3 67.85,35.9 67.7,36.05 67.7,36.05 D2.2
Net-(J1-Pad130): length 5.4
  Bottom w0.15: R99.1 R28.2 35.18,5.42 J1.130
Net-(POT1-Pad2): length 9.6
  Top w0.2: 65.19,35.85 65.19,36.28 66.25,37.35 66.25,35.9 66.8,35.35 67.8,35.35 68.2,34.95 68.2,34.35 68,34.14 67.9,34.14 67.8,34.05 67.4,34.05 67.14,33.79 67.14,33.55 66.2,33.55 66,33.35 U9.10
Net-(POT1-Pad3): length 3.1
  Top w0.2: 62.9,36.35 63.6,36.35 64.2,35.75 64.22,35.75 ; 61.6,36.65 62.72,36.65 63,36.37
Net-(R29-Pad2): length 8.1
  Top w0.09: R29.2 63.09,35.15 64.09,35.15 R31.1
  Top w0.1: R31.1 64.85,34.39 U9.12
  Top w0.15: R29.2 62.12,35.11 62.12,35.95 61.94,36.13 61.3,36.13 61.03,36.41 61.03,37.35 61.29,37.62 R3.1
Net-(R32-Pad2): length 2.2
  Top w0.152: TP1.1 68.09,31.53 66.58,31.53 66.31,31.8 U9.8
Net-(R69-Pad2): length 3.1
  Top w0.2: U1.H15 32.7,25.91 32.02,26.59 31.44,26.59 31.22,26.81 R69.2

## Copper pours and planes (outline as drawn; the poured copper is in the pictures)
+0V5 on Top: 60.03,33.3 60.03,30.1 57.53,30.1 57.53,33.3
+0V5 on Bottom: 60.03,28.6 37.83,28.6 37.22,28 32.43,28 32.43,30.2 36.38,33.4 60.03,33.4
+0V5 on Bottom: 28.5,26.4 28.5,24.92 29.1,24.2 29.1,23.6 30.9,23.6 30.9,23 30.5,22.6 30.5,22.2 32.5,22.2 32.5,26.4
+0V5 on Bottom: 37.22,13.6 32.43,13.6 32.43,28 37.22,28
+0V5 on Bottom: 41.3,26.4 41.3,24.92 40.25,23.56 38.7,23.6 38.7,23 39.3,22.6 39.3,22.2 37.1,22.2 37.1,26.4
+0V5 on Bottom: 28.3,13.6 28.3,15.08 29.35,16.44 30.9,16.4 30.9,17 30.3,17.4 30.3,17.8 32.5,17.8 32.5,13.6
+0V5 on Bottom: 41.1,13.6 41.1,15.08 40.5,15.8 40.5,16.4 38.7,16.4 38.7,17 39.1,17.4 39.1,17.8 37.1,17.8 37.1,13.6
+0V9 on In3.Cu: 37.25,24.45 36.5,24.45 36.5,14.8 33.1,14.8 33.1,24.45 32.35,24.45 32.35,28.05 37.25,28.05
+0V9 on In4.Cu: 28.83,20.8 32.43,20.8 32.43,22.4 34.03,22.4 34.03,24.4 32.43,24.4 32.43,25.2 37.22,25.2 37.22,24.4 35.62,24.4 35.62,22.4 37.22,22.4 37.22,20.8 40.62,20.8 40.62,21.83 41.15,21.83 41.6,21.38 44.55,21.38 44.55,18.22 44.18,18.22 43.8,18.6 41.6,18.6 41.2,18.2 41.08,18.2 40.62,18.65 40.62,19.2 37.22,19.2 37.22,17.6 35.62,17.6 35.62,15.6 36.62,15.6 36.62,14.8 33.03,14.8 33.03,15.6 34.03,15.6 34.03,17.6 32.43,17.6 32.43,19.2 28.83,19.2 28.83,18.4 28.75,18.33 28.33,18.33 28.28,18.46 28.28,18.6 28.08,18.8 26.12,18.8 25.7,18.38 25.5,18.38 25.43,18.45 25.43,20.95 25.7,21.22 27.85,21.22 28.38,21.75 28.53,21.75 28.83,21.45
+0V9 on In4.Cu: 35.62,34.8 35.62,25.2 34.03,25.2 34.03,34 30.03,38 11.83,38 11.83,40 30.43,40
+1V1 on Top: 2.33,23.8 10.23,23.8 10.23,22.1 0.73,22.1 0.73,27.4 2.33,27.4
+1V1 on Top: 62.7,31.15 62.7,32.95 62.5,33.15 62.5,34.9 63.6,34.9 63.6,30.05 63.5,30.05 63.5,27.95 62.5,27.95 62.5,30.95
+1V1 on In2.Cu: 64.53,27.86 16.63,27.78 10.23,22.1 9.12,22.1 9.12,24.8 17.33,33 64.53,33
+1V05 on Top: 38.7,21.9 38.7,21.1 42.1,21.1 42.1,18.9 38.7,18.9 38.7,18.1 38,18.1 38,21.9
+1V05 on Top: 33.8,17.9 33.8,18.7 34.5,18.7 34.5,21.3 33.8,21.3 33.8,22.1 33.1,22.1 33.1,22.7 33.8,22.7 33.83,28.15 35.83,28.15 35.8,22.7 36.5,22.7 36.5,22.1 35.8,22.1 35.8,21.2 35.1,21.2 35.1,18.8 35.8,18.8 35.8,17.9 36.5,17.9 36.5,17.3 35.8,17.3 35.8,11.38 33.8,11.38 33.8,17.3 33.1,17.3 33.1,17.9
+1V05 on Top: 30.9,18.1 30.9,18.9 27.5,18.9 27.5,21.1 30.9,21.1 30.9,21.9 31.6,21.9 31.6,18.1
+1V05 on Top: 38,22.7 38,21.9 38.7,21.9 38.7,18.1 37.9,18.1 37.9,17.3 35,17.3 35,22.7
+1V05 on Top: 35.83,29.1 35.83,27.7 33.95,27.7 33.43,28.22 30.4,28.22 30.18,28 14.53,28 14.53,30.15 14.75,30.35 34.58,30.35
+1V05 on Top: 31.6,17.3 31.6,18.1 30.9,18.1 30.9,21.9 31.7,21.9 31.7,22.7 34.6,22.7 34.6,17.3
+5V on Top: 6.71,29.67 7.91,29.67 7.91,27.5 9.01,27.5 9.01,24.05 6.71,24.05
+5V on Top: 2.18,0.2 1,0.2 1,4.5 2.18,4.5
+5V on In3.Cu: 9.05,22.05 3.9,22.05 3.9,2.72 1,2.72 1,23.8 7.33,23.8 7.33,26.3 9.05,26.3
GND on Top: 7.75,37.58 12.15,37.58 12.15,31.67 12.75,31.67 12.75,30.38 10.95,30.38 10.95,27.97 6.45,27.97 6.45,23.78 3.45,23.78 3.45,26.78 2.95,26.78 2.95,30.38 0.65,30.38 0.65,32.17 1.25,32.17 1.25,37.58 5.65,37.58 5.65,39.7 7.75,39.7
GND on Top, Bottom: 69.4,39.55 69.4,27.85 60.3,27.85 60.3,39.55
GND on In1.Cu, In2.Cu, In4.Cu: 69.6,0.05 0,0.05 0,40.05 69.6,40.05
/Power supply/VOUT on Top: 64.6,33.95 64.6,30.05 64.5,30.05 64.5,27.95 63.5,27.95 63.5,30.05 63.6,30.05 63.6,33.95
/Power supply/VOUT on Top: 61.5,33.15 61.5,33.95 62.5,33.95 62.5,33.15 62.7,32.95 62.7,31.15 62.5,30.95 62.5,29.95 60.5,29.95 60.5,33.15
/Power supply/VOUT on Bottom: 64.8,33.1 64.8,28.55 61.45,28.55 61.45,33.1
/Power supply/VOUT1 on Top: 4.08,36.58 3.08,36.58 3.08,39.7 5.38,39.7 5.38,34.67 4.08,34.67
/Power supply/VOUT2 on Top: 9.28,36.58 10.28,36.58 10.28,39.7 7.98,39.7 7.98,34.67 9.28,34.67
/Power supply/VOUT3 on Top: 10.51,30.17 14.01,30.17 14.01,27.97 9.21,27.97 9.21,30.78 10.51,30.78
/Power supply/VOUT4 on Top: 2.84,30.17 0.66,30.17 0.66,27.97 4.14,27.97 4.14,30.78 2.84,30.78

## Text on the board
B.Silkscreen: PCB SHA ########
Top: LPDDR5 Testbed / Rev. ${REVISION}  12/2023
F.Mask: LPDDR5 Testbed / Rev. ${REVISION}  12/2023
